# Altium PCB 飞镖电源模块TPS560430.PcbDoc
Units mil, origin at the board's own origin, x right, y up, seen from the top; angles counter-clockwise.
Board outline 1210 x 1210 mil, 2 copper layers (Top Layer, Bottom Layer); 22 components, 13 nets, 51 pads, 2 vias.
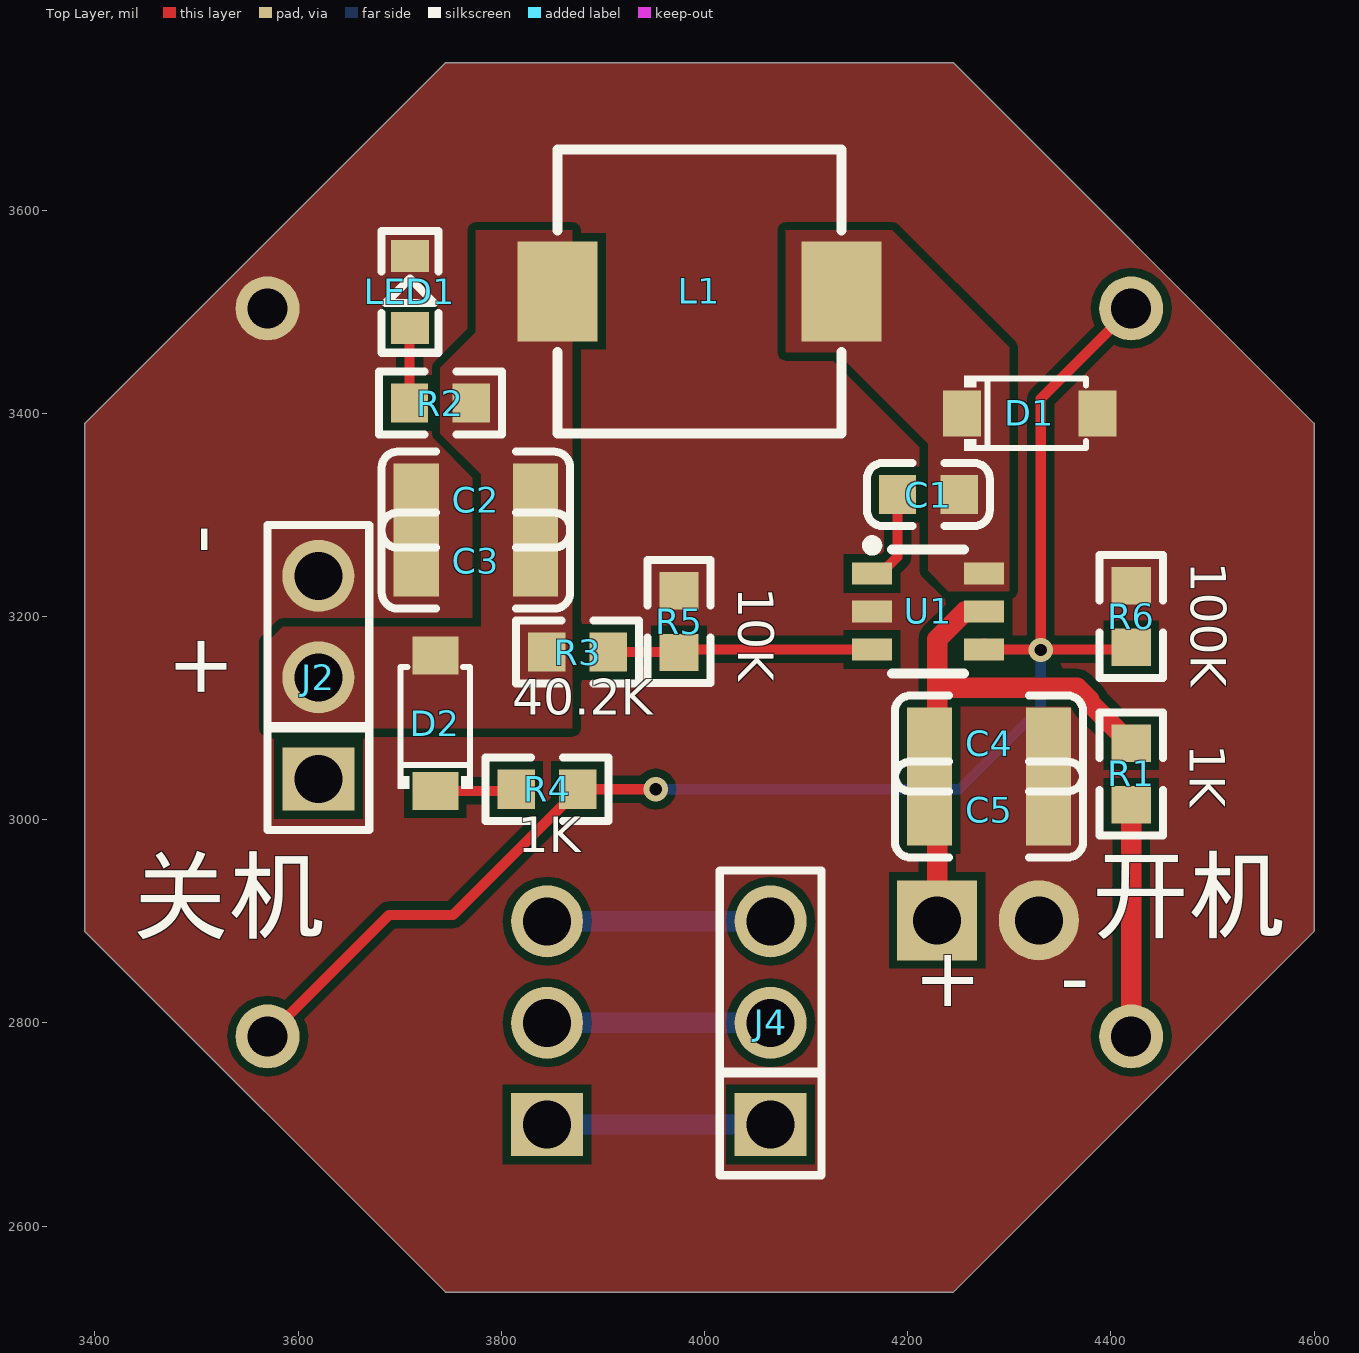
[diagram p0: Top Layer view]
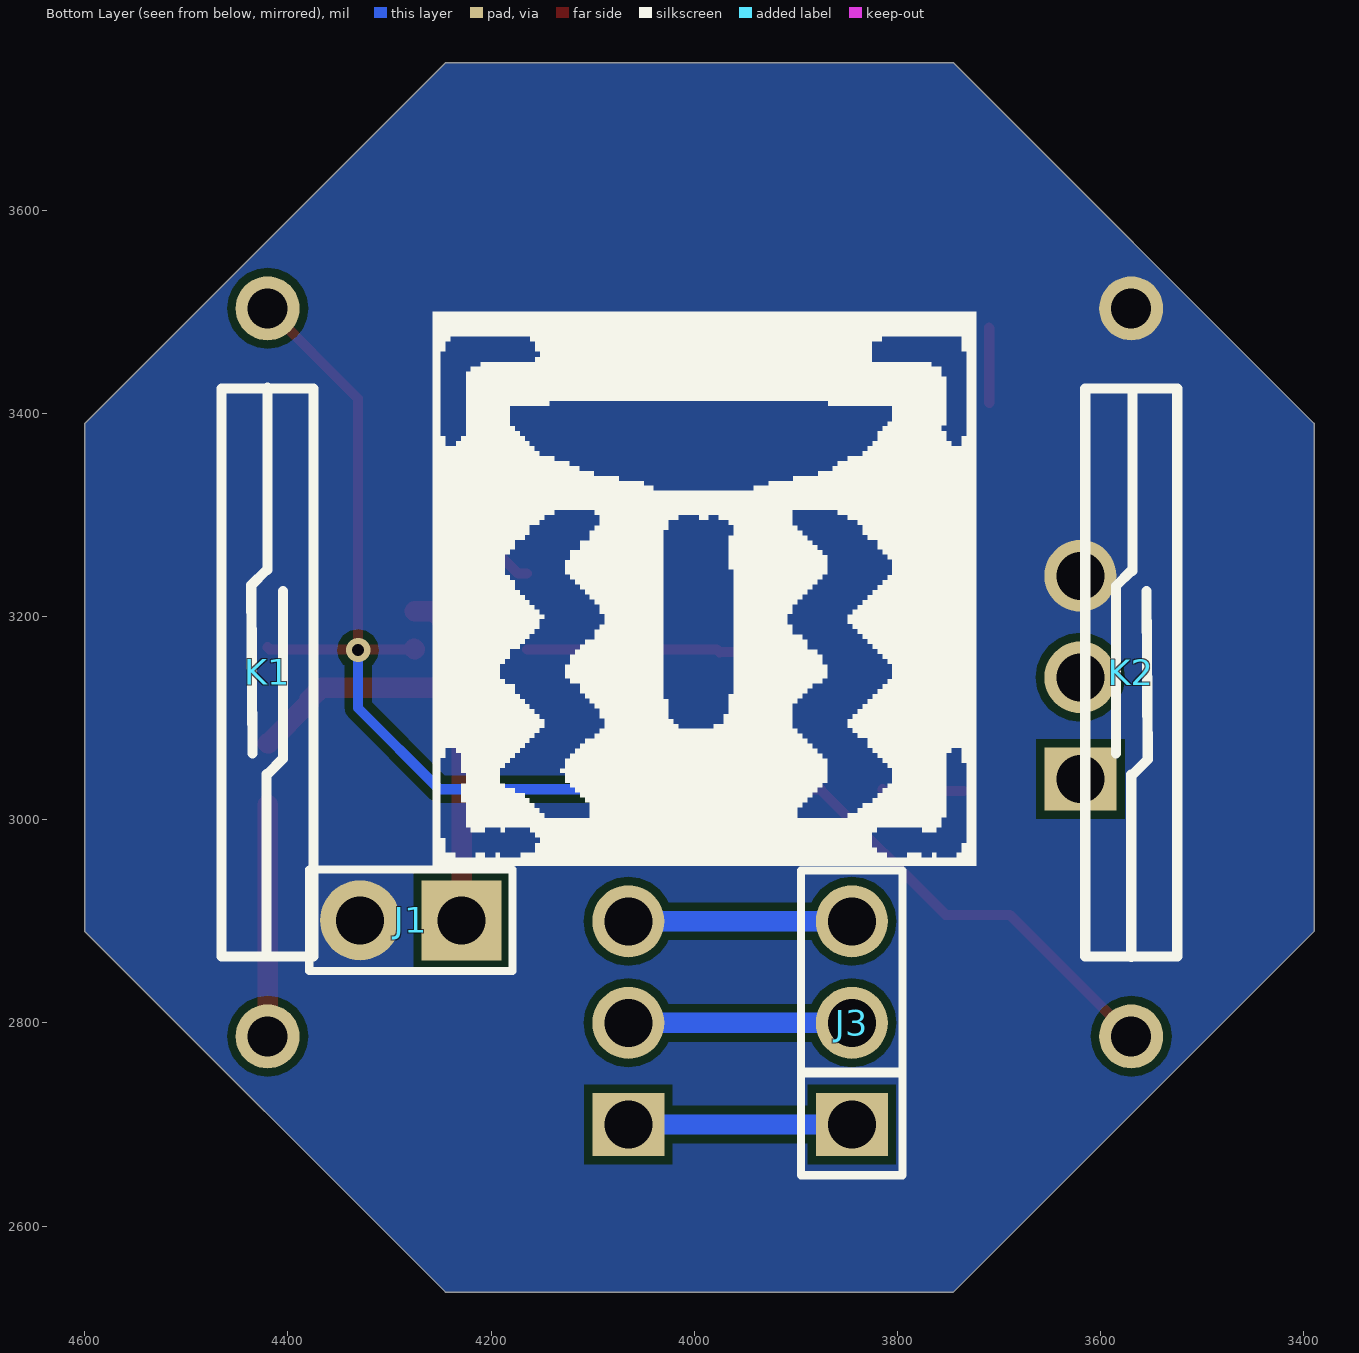
[diagram p1: Bottom Layer view, seen from below]
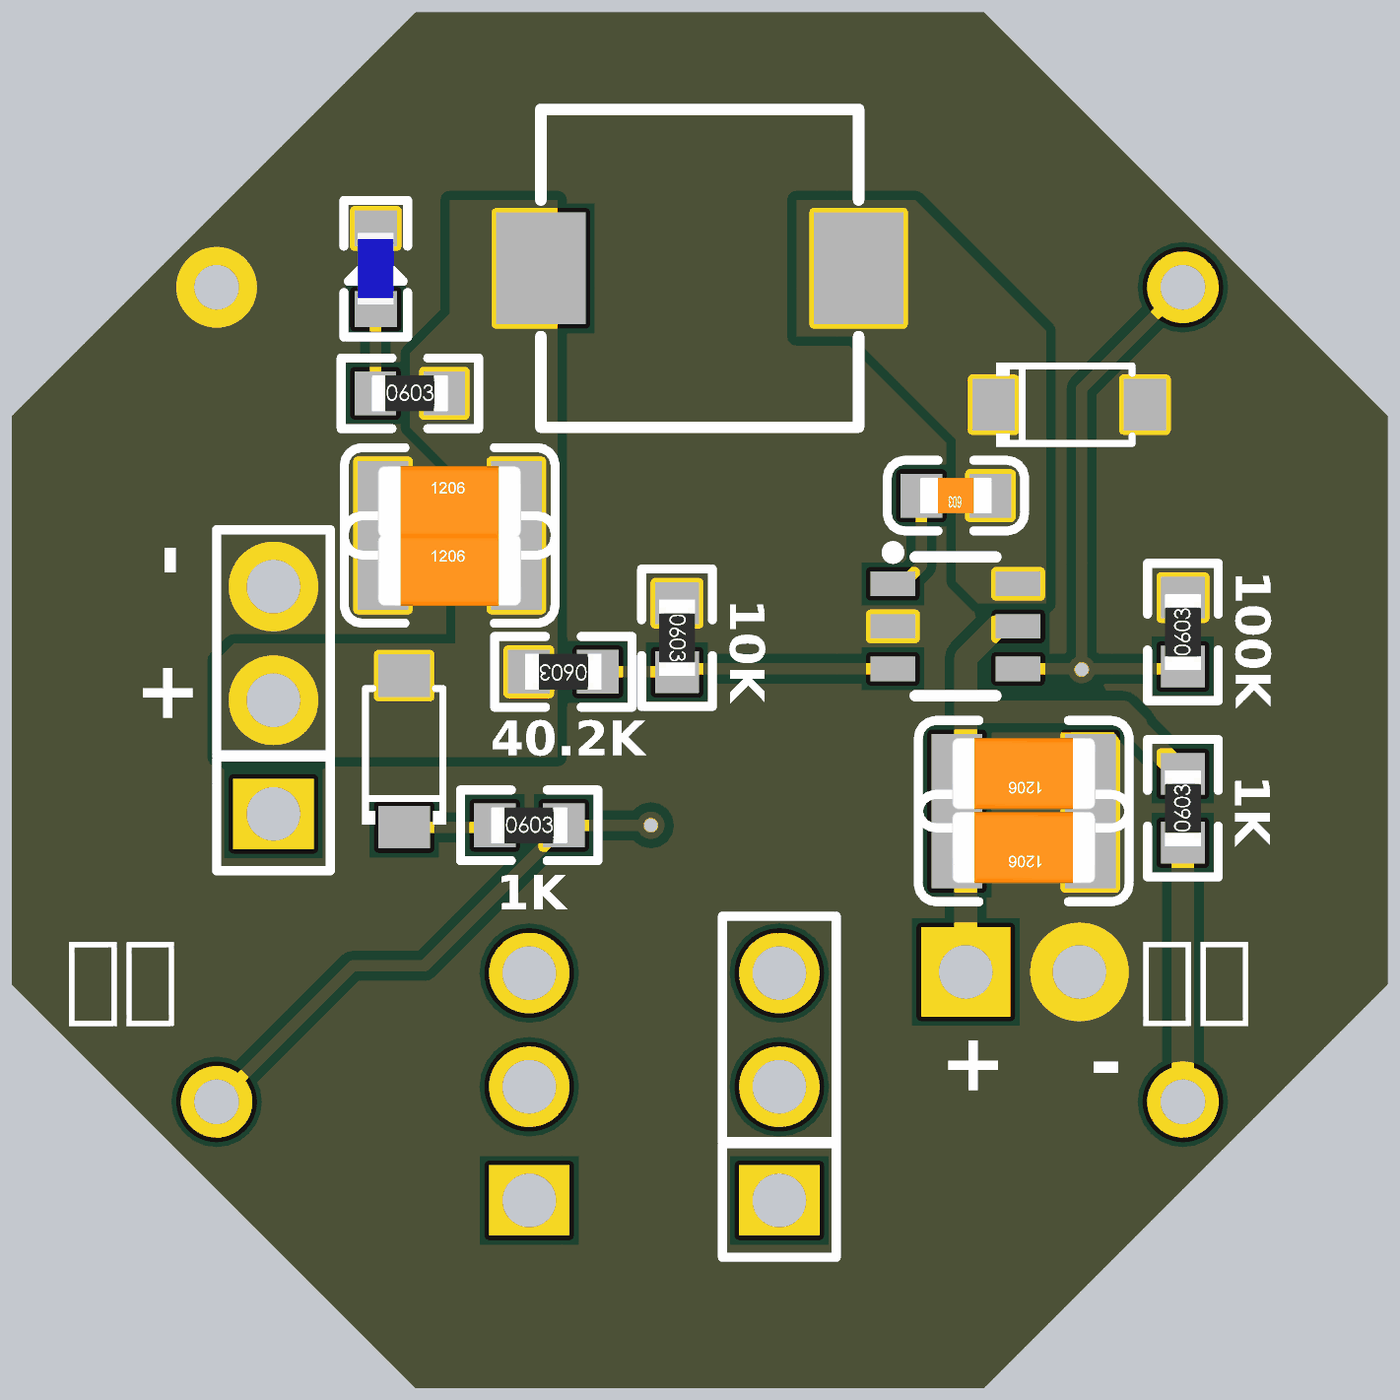
[diagram p2: 3D render of the assembled board from above, using the file's embedded part models]

## Layer stack, top to bottom
Top Solder: solder mask 0.4, Solder Resist, Dk 3.5
Top Layer: signal copper 1.4
Dielectric 1: dielectric 12.6, FR-4, Dk 4.8
Bottom Layer: signal copper 1.4
Bottom Solder: solder mask 0.4, Solder Resist, Dk 3.5

## Board outline
3390,2890 3390,3390 3745,3745 4245,3745 4600,3390 4600,2890 4245,2535 3745,2535

## Design rules (kind name [scope] priority, off if disabled: settings)
Clearance [All] p1: gap=8 ignorepadtopadclearanceinfootprint=FALSE
PolygonConnect [All] p1: connectstyle=Direct reliefconductorwidth=10 reliefentries=4 polygonreliefangle="90 Angle" airgapwidth=10
RoutingVias [All] p1: holewidth=28 width=50 viastyle="Through Hole" minholewidth=28 minwidth=50 maxholewidth=28 maxwidth=50
SolderMaskExpansion [All] p1: expansion=4 istentingtop=FALSE
Width [All] p1: maxlimit=100 minlimit=8 preferedwidth=8
30 further rules are at their usual default settings.

## Classes and differential pairs
component class 飞镖电源TPS560430: C1 C2 C3 C4 C5 D1 D2 J1 J2 J3 J4 K1 K2 L1 LED1 R1 R3 R6 U1

## Components (designator, comment, footprint, x,y, rotation, side; value= is the part's Value field where it differs from the comment)
C1 "100nF" 0603_C 4220,3320 r180 top
C2 "10uF" 1206_C 3775,3315 r0 top
C3 "10uF" 1206_C 3775,3255 r0 top
C4 "10uF" 1206_C 4280,3075 r180 top
C5 "10uF" 1206_C 4280,3010 r180 top
D1 "稳压二极管" SOD-123 4320,3400 r0 top
D2 "稳压二极管" SOD-123 3735,3095 r90 top
J1 "HDR  1x2" "排针排母 2P 2.54mm" 4280,2900 r0 bottom
J2 "HDR  1x3" "排针排母 3P 2.54mm" 3620,3140 r90 top
J3 "HDR  1x3" "排针排母 3P 2.54mm" 3845,2800 r90 bottom
J4 "HDR  1x3" "排针排母 3P 2.54mm" 4065,2800 r90 top
K1 "磁性开关" MKA14103 4420,3145 r270 bottom
K2 "磁性开关" MKA14103 3570,3145 r90 bottom
L1 "?H" SMD_7*7*4MM 3995,3520 r180 top
LED1 "LED" LED_0603 3712,3517.57 r90 top
R1 "1K" 0603_R 4420,3045 r90 top
R2 "10K" 0603_R 3740,3410 r0 top
R3 "40.2K" 0603_R 3875,3165 r180 top
R4 "1K" 0603_R 3845,3030 r0 top
R5 "10K" 0603_R 3975,3195 r270 top
R6 "100K" 0603_R 4420,3200 r90 top
U1 "TPS560430XDBVR" SOT-23-6 4220,3205 r180 top

## Footprints (in the part's own frame and the unit in brackets; to place one, negate y for a bottom-side part, rotate by r counter-clockwise, add the part's x,y. Pads: shape width x height; smd on the part's side, far side on the other; paste and mask are expansions set on the pad)
0603_C [mm] "SMD, 0603"
  rect 0.93x0.98 smd: 1(-0.778,0) 2(0.762,0)
  silkscreen extent -1.54,-0.79 1.53,0.79, body extent -0.81,-0.4 0.79,0.4, height 0.3
0603_R [mm] "SMD, 0603"
  rect 0.93x0.98 smd: 1(-0.77,0) 2(0.77,0)
  silkscreen extent -1.53,-0.79 1.54,0.79, body extent -0.85,-0.4 0.85,0.4, height 0.56
1206_C [mm] "SMD, 1206"
  rect 1.13x1.8 smd: 1(-1.49,0) 2(1.49,0)
  silkscreen extent -2.36,-1.2 2.35,1.2, body extent -1.6,-0.81 1.6,0.79, height 1
LED_0603 [mm]
  rect 0.8x0.95 smd: 1(-0.849,0.051) 2(0.951,0.051)
  silkscreen extent -1.47,-0.66 1.57,0.76, body extent -0.75,-0.34 0.85,0.46, height 0.8
MKA14103 [mm] "干簧管，型号MKA14103"
  round 1.6 hole 1: 1(-9.1,0) 2(9.1,0)
  silkscreen extent -7.12,-1.15 7.1,1.15
SMD_7*7*4MM [mm]
  rect 2x2.5 smd: 1(-3.55,0) 2(3.55,0)
  silkscreen extent -3.55,-3.55 3.55,3.55, body extent -3.56,-3.56 3.56,3.56, height 4
SOD-123 [mm]
  rect 0.95x1.15 smd: 1(1.693,0) 2(-1.693,0)
  silkscreen extent -1.63,-0.94 1.41,0.94
SOT-23-6 [mm]
  rect 1x0.55 smd: 1(1.4,-0.95) 2(1.4,0) 3(1.4,0.95) 4(-1.4,0.95) 5(-1.4,0) 6(-1.4,-0.95)
  silkscreen extent -0.9,-1.78 1.52,1.55
"排针排母 2P 2.54mm" [mm]
  rect 2x2 hole 1.2: 1(-1.295,-0.025)
  round 2 hole 1.2: 2(1.245,-0.025)
  silkscreen extent -2.57,-1.3 2.51,1.24
"排针排母 3P 2.54mm" [mm]
  rect 1.575x1.8 hole 1.2: 1(-2.54,0)
  round 1.8 hole 1.2: 2(0,0) 3(2.54,0)
  silkscreen extent -3.81,-1.27 3.81,1.27

## Part data
C1 C2 C3 C4 C5: library part CAP, "Capacitor"
J1 J2 J3 J4: "Connector"
K1 K2: library part 干簧管, "开关", BOM_JLCPCB Part Class="Extended Part", BOM_Manufacturer=STANDEXMEDER, BOM_Manufacturer Part=KSK-SME560-1015, BOM_Supplier=LCSC, BOM_Supplier Part=C575284, Contributor=LCSC, spicePre=K, spiceSymbolName=KSK-SME560-1015
L1: library part Inductor, "Inductor", Code_IEC=1005, Code_JEITA=0402, LatestRevisionDate=17-Jul-2002, LatestRevisionNote="Re-released for DXP Platform.", PackageReference=0402-A, Published=8-Jun-2000, Publisher="Altium Limited"
R1 R2 R3 R4 R5 R6: library part RES, "Resistor"
U1: BOM_JLCPCB Part Class="Extended Part", BOM_Manufacturer="Texas Instruments", BOM_Manufacturer Part=TPS560430XDBVR, BOM_Supplier=LCSC, BOM_Supplier Part=C524782, Contributor=LCSC, spicePre=U, spiceSymbolName=TPS560430XDBVR

## Via types
v1: diameter 24, hole 12, Top Layer to Bottom Layer, 2 vias

## Nets (pads, with @x,y where several pads share a name; then routed paths per layer and width w, separated by ;. In a path a pad name is that pad's centre, name@x,y a point inside that pad or via, vN(x,y) a via of type N, cw(c..) or ccw(c..) an arc to the next point about the centre after c; other vN are vias at no path point)
BAT: C4.2 C5.2 J1.1 R1.2 U1.5 | length 549.1
  Top Layer w20: J1.1 4229,3010 4229,3075 4229,3130 ; U1.5 4256.55,3205 4229,3177.44 4229,3130 ; R1.2 4419.02,3075.32 4378.91,3115.43 4378.91,3117.89 4366.79,3130 4229,3130
GND: C2.1 C3.1 C4.1 C5.1 D1.1 J1.2 J2.3 K2.2 LED1.2 R5.1 R6.2 U1.2
NetC1_1: C1.1 D1.2 L1.1 U1.6
NetC1_2: C1.2 U1.1 | length 93.2
  Top Layer w10: U1.1 4173.74,3242.39 4190,3258.66 C1.2
NetD2_2: D2.2 R4.1 | length 80.4
  Top Layer w10: D2.2 3813.05,3028.37 R4.1
NetJ3_1: J3.1 J4.1 | length 220
  Bottom Layer w20: J3.1 J4.1
NetJ3_2: J3.2 J4.2 | length 220
  Bottom Layer w20: J3.2 J4.2
NetJ3_3: J3.3 J4.3 | length 220
  Bottom Layer w20: J3.3 J4.3
NetK1_1: K1.1 K2.1 R4.2 R6.1 U1.4 | length 1472.5
  Top Layer w10: K2.1 3689.56,2906.29 3752.59,2906.29 3875.32,3029.02 R4.2 v1(3952,3030) ; U1.4 v1@4331,3167.6 ; v1(4331,3167) v1@4331,3167.6 ; R6.1 4417.91,3167.6 v1@4331,3167.6 ; K1.1 4331,3414.27 v1@4331,3167.6
  Top Layer w20: U1.4 U1.4@4275.95,3168.43
  Bottom Layer w10: v1(3952,3030) 4251,3030 4331,3110 v1(4331,3167)
NetK1_2: K1.2 R1.1 | length 228
  Top Layer w20: K1.2 R1.1
NetLED1_1: LED1.1 R2.1 | length 74.3
  Top Layer w10: R2.1 3709.69,3483.82 LED1.1
NetR3_1: R3.1 R5.2 U1.3 | length 260.9
  Top Layer w10: R3.1 3974.68,3165 R5.2 3977.91,3167.6 U1.3
VOUT: C2.2 C3.2 D2.1 J2.2 L1.2 R2.2 R3.2
pads on no net: J2.1

## Polygon pours and split planes (outlines as drawn)
GND on Top Layer "GND_L01_P002" (solid, pour order 2): 3390,2890 3390,3390 3745,3745 4245,3745 4600,3390 4600,2890 4245,2535 3745,2535
NetC1_1 on Top Layer "NONET_L-01_P-001" (solid, pour order 1): 4300,3225 4240,3225 4220,3245 4220,3370 4130,3460 4080,3460 4080,3580 4185,3580 4300,3465
VOUT on Top Layer "NONET_L-01_P-001" (solid, pour order 0): 3570,3090 3870,3090 3870,3580 3775,3580 3775,3480 3740,3445 3740,3380 3780,3340 3780,3190 3585,3190 3570,3175
GND on Bottom Layer "GND_L02_P003" (solid, pour order 3): 3390,2890 3390,3390 3745,3745 4245,3745 4600,3390 4600,2890 4245,2535 3745,2535

## Silkscreen, mask and mechanical layers (free items; w line width, h text height)
Top Overlay:
  text "100K" at 4466.56,3254 h60 r270
  text "10K" at 4021.55,3229 h60 r270
  text "+   -" at 3549.07,3117.09 h100 r90
  text "40.2K" at 3811,3091.55 h60
  text "1K" at 4466,3074 h60 r270
  text "1K" at 3816,2956 h60
  text "关机" at 3436.11,2868.22 h120
  text "开机" at 4381,2868.44 h120
  text "+   -" at 4206.09,2796.93 h100
Bottom Overlay:
  region: 7 vertices and 8 holes, not listed, extent 3722.5,2954.76 4257.5,3499.76
Mechanical 1:
  lines w10: 3390,2890 3390,3140 3390,3390 3745,3745 3995,3745 4245,3745 4600,3390 4600,3140 4600,2890 4245,2535 3995,2535 3745,2535 3390,2890